# Altium PCB 单电源同向放大器.PcbDoc
Units mm, origin at the board's own origin, x right, y up, seen from the top; angles counter-clockwise.
Board outline 36 x 28 mm, 2 copper layers (Top Layer, Bottom Layer); 9 components, 6 nets, 30 pads, 4 vias.
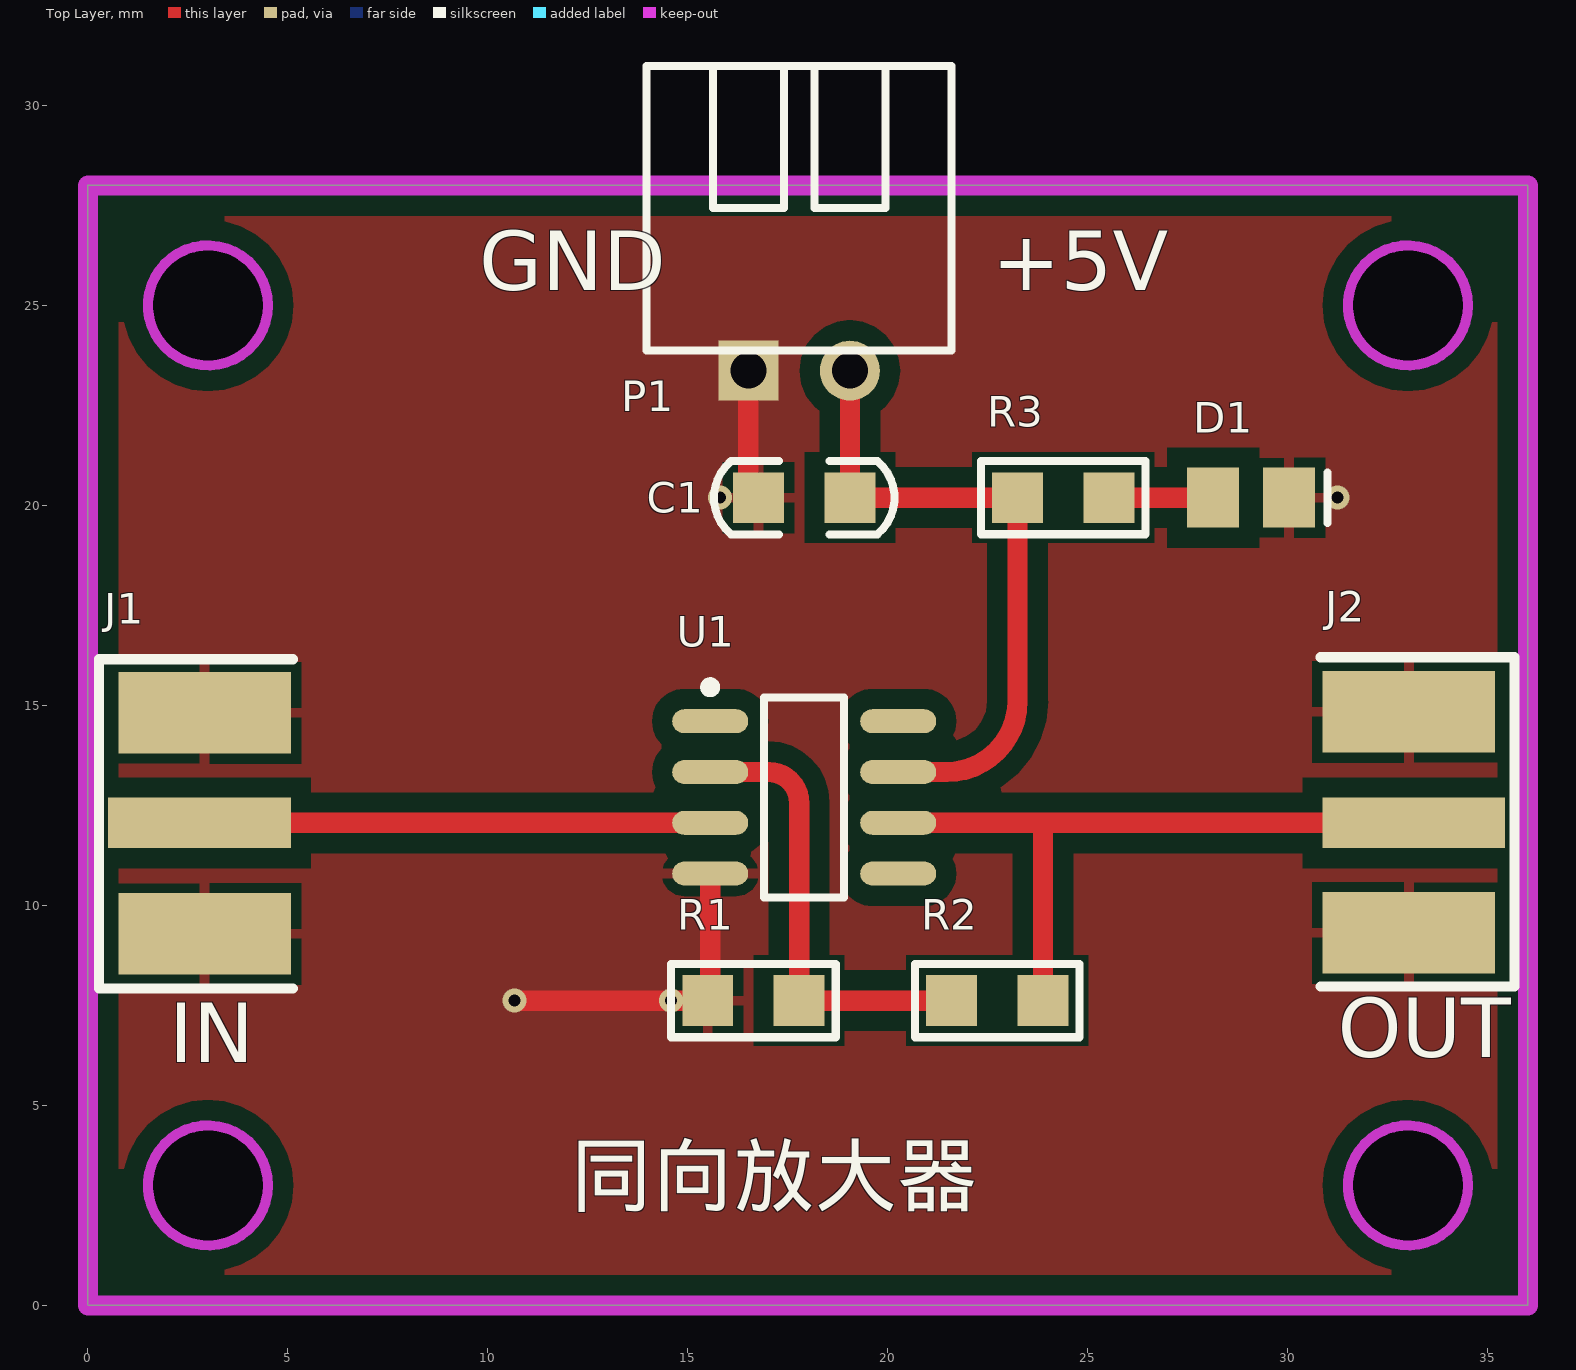
[diagram p0: Top Layer view]
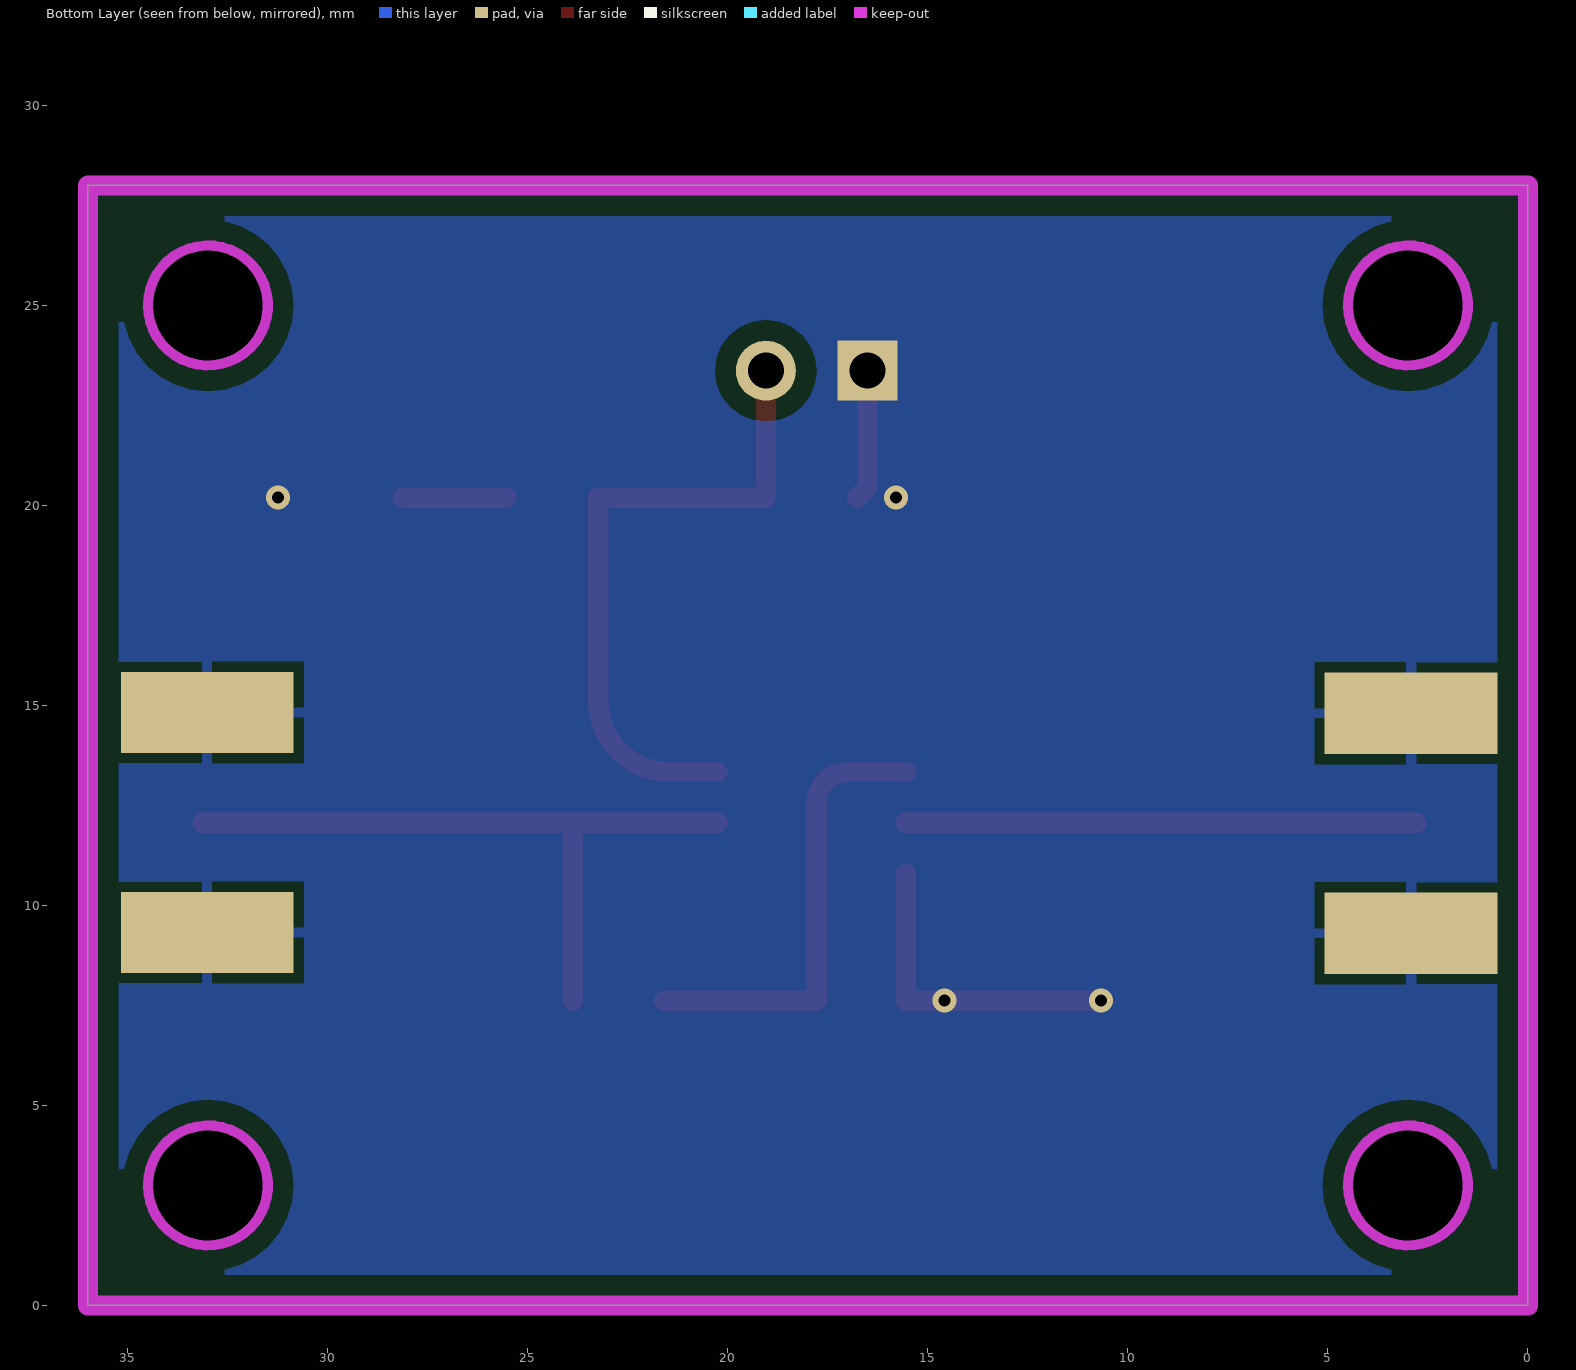
[diagram p1: Bottom Layer view, seen from below]

## Layer stack, top to bottom
Top Solder: solder mask 0.0102, Solder Resist, Dk 3.5
Top Layer: signal copper 0.0356
Dielectric 1: dielectric 0.32, FR-4, Dk 4.8
Bottom Layer: signal copper 0.0356
Bottom Solder: solder mask 0.0102, Solder Resist, Dk 3.5

## Board outline
0,0 36,0 36,28 0,28
cut-out: 3,1.5 cw(c3,3) 1.5,3 cw(c3,3) 3,4.5 cw(c3,3) 4.5,3 cw(c3,3)
cut-out: 31.5,3 ccw(c33,3) 33,1.5 ccw(c33,3) 34.5,3 ccw(c33,3) 33,4.5 ccw(c33,3)
cut-out: 31.5,25 ccw(c33,25) 33,23.5 ccw(c33,25) 34.5,25 ccw(c33,25) 33,26.5 ccw(c33,25)
cut-out: 3,23.5 cw(c3,25) 1.5,25 cw(c3,25) 3,26.5 cw(c3,25) 4.5,25 cw(c3,25)

## Design rules (kind name [scope] priority, off if disabled: settings)
Clearance [All] p1: gap=0.254 ignorepadtopadclearanceinfootprint=FALSE except(0: Arc-Hole Track-Hole SMDPad-Hole THPad-Hole Via-Hole Fill-Hole Poly-Hole Region-Hole Text-Hole; 0.508: Arc-Poly Track-Poly SMDPad-Poly THPad-Poly Via-Poly Fill-Poly Poly-Poly)
PolygonConnect [All] p1: thpad.connectstyle=Direct thpad.reliefconductorwidth=0.254 thpad.reliefentries=4 thpad.polygonreliefangle="90 Angle" thpad.airgapwidth=0.254 smdpad.connectstyle=Relief smdpad.reliefconductorwidth=0.254 smdpad.reliefentries=4 smdpad.polygonreliefangle="90 Angle" smdpad.airgapwidth=0.254 via.connectstyle=Direct via.reliefconductorwidth=0.254 via.reliefentries=4 via.polygonreliefangle="90 Angle" via.airgapwidth=0.254
RoutingVias [All] p1: holewidth=0.711 width=1.778 viastyle="Through Hole" minholewidth=0.3 minwidth=0.6 maxholewidth=0.711 maxwidth=2.54
SolderMaskExpansion [All] p1: expansion=0.102
Width [All] p1: maxlimit=1.27 minlimit=0.254 preferedwidth=0.508
30 further rules are at their usual default settings.

## Components (designator, comment, footprint, x,y, rotation, side; value= is the part's Value field where it differs from the comment)
C1 "104" "C 0805" 17.907,20.193 r0 top
D1 "LED" LED_0805 29.083,20.193 r0 top
J1 "COAX" MCX5.08-5-H 2.794,12.065 r180 top
J2 "COAX" MCX5.08-5-H 33.147,12.065 r0 top
P1 "Header 2" HDR2X1_B2 16.51,23.368 r0 top
R1 "200" "R 0805" 16.637,7.62 r0 top
R2 "1.8K" "R 0805" 22.733,7.62 r0 top
R3 "1K" "R 0805" 24.384,20.193 r0 top
U1 "OPA333" SO8_L 17.907,12.7 r0 top

## Footprints (in the part's own frame and the unit in brackets; to place one, negate y for a bottom-side part, rotate by r counter-clockwise, add the part's x,y. Pads: shape width x height; smd on the part's side, far side on the other; paste and mask are expansions set on the pad)
"C 0805" [mil] "无极性贴片电容"
  rect 50x50 smd: 1(-45,0) 2(45,0)
  silkscreen extent -89,-36 89,36, body extent -39,-24 39,24, height 20
HDR2X1_B2 [mm] "Connector; Header; 4 Position"
  rect 1.5x1.5 hole 0.9: 1(0,0)
  round 1.5 hole 0.9: 2(2.54,0)
  silkscreen extent -2.54,0.5 5.08,7.62, body extent -2.54,0.38 5.08,7.62, height 5.5
LED_0805 [mm] "贴片二极管"
  rect 1.3x1.5 smd: 1(-0.95,0) 2(0.95,0)
  silkscreen extent 1.91,-0.64 1.91,0.64
MCX5.08-5-H [mil]
  rect 180x50 smd: 1(0,0)
  rect 170x80 smd: 2(-5,109.25) 5(-5,-108.27)
  rect 170x80 smd far side: 3(-5,108.66) 4(-5,-107.87)
  silkscreen extent -92,-161 99,163, body extent -93,-132 80,134, height 39
"R 0805" [mil] "1/8W贴片电阻"
  rect 50x50 smd: 1(-45,0) 2(45,0)
  silkscreen extent -81,-36 81,36, body extent -39,-25 39,25, height 20
SO8_L [mm] "SOIC, 8-Leads, Body 4.9x3.9mm, Pitch 1.27mm, IPC High Density"
  oval 1.9x0.6 smd: 1(-2.35,1.905) 2(-2.35,0.635) 3(-2.35,-0.635) 4(-2.35,-1.905) 5(2.35,-1.905) 6(2.35,-0.635) 7(2.35,0.635) 8(2.35,1.905)
  silkscreen extent -2.47,-2.5 1,2.88, body extent -2,-2.5 2,2.5, height 1.75

## Part data
C1: library part C, "无极性贴片电容"
D1: "发光二极管", LatestRevisionDate=08-Jul-2005, LatestRevisionNote="Mech Layer 1 removed.", PackageReference=LED, Published=8-Jun-2000, Publisher="Altium Limited"
P1: "接插件", LatestRevisionDate=17-Jul-2002, LatestRevisionNote="Re-released for DXP Platform.", Publisher="Altium Limited"
R1 R2 R3: library part R, "贴片电阻"
U1: "1.8V 微功耗 CMOS 运算放大器零漂移系列"

## Via types
v1: diameter 0.6, hole 0.3, Top Layer to Bottom Layer, tented both sides, 3 vias
v2: diameter 0.6, hole 0.3, Top Layer to Bottom Layer, 1 vias

## Nets (pads, with @x,y where several pads share a name; then routed paths per layer and width w, separated by ;. In a path a pad name is that pad's centre, name@x,y a point inside that pad or via, vN(x,y) a via of type N, cw(c..) or ccw(c..) an arc to the next point about the centre after c; other vN are vias at no path point)
GND: C1.1 D1.2 J1.2 J1.3 J1.4 J1.5 J2.2 J2.3 J2.4 J2.5 P1.1 R1.1 U1.4 | length 11.3
  Top Layer w0.508: v2(10.668,7.62) 15.557,7.62 U1.4 ; P1.1 16.51,20.447 C1.1
  other v1: 14.58,7.62 15.799,20.193 31.242,20.193
NetD1_1: D1.1 R3.2 | length 2.6
  Top Layer w0.508: R3.2 D1.1
NetJ1_1: J1.1 U1.3 | length 12.8
  Top Layer w0.508: J1.1 U1.3
NetJ2_1: J2.1 R2.2 U1.6 | length 17.3
  Top Layer w0.508: U1.6 23.876,12.065 ; R2.2 23.876,12.065 ; J2.1 23.876,12.065
NetR1_2: R1.2 R2.1 U1.2 | length 11.4
  Top Layer w0.508: U1.2 17.018,13.335 cw(c17.018,12.573) 17.78,12.573 R1.2 R2.1
VCC: C1.2 P1.2 R3.1 U1.7 | length 16.4
  Top Layer w0.508: P1.2 C1.2 R3.1 23.241,15.113 cw(c21.463,15.113) 21.463,13.335 U1.7
pads on no net: U1.1 U1.5 U1.8

## Polygon pours and split planes (outlines as drawn)
GND on Bottom Layer "Top Layer-No Net1" (solid, remove dead copper, pour order 1): 0,0 36,0 36,28 0,28
GND on Top Layer "Top Layer-No Net" (solid, remove dead copper, pour order 3): 0,0 36,0 36,28 0,28

## Keep-outs
Keep-Out Layer:
  circle w0.254: c33,3 r1.5
  circle w0.254: c33,25 r1.5
  circle w0.254: c3,25 r1.5
  circle w0.254: c3,3 r1.5
  lines w0.508: 0,0 0,28 36,28 36,0 0,0

## Silkscreen, mask and mechanical layers (free items; w line width, h text height)
Top Overlay:
  text "GND" at 9.779,24.892 h2.54
  text "+5V" at 22.606,24.892 h2.54
  text "OUT" at 31.242,5.715 h2.54
  text "IN" at 2.032,5.588 h2.54
  text "同向放大器" at 12.065,2.044 h2.54